# KiCad board Plume.kicad_pcb (continued)
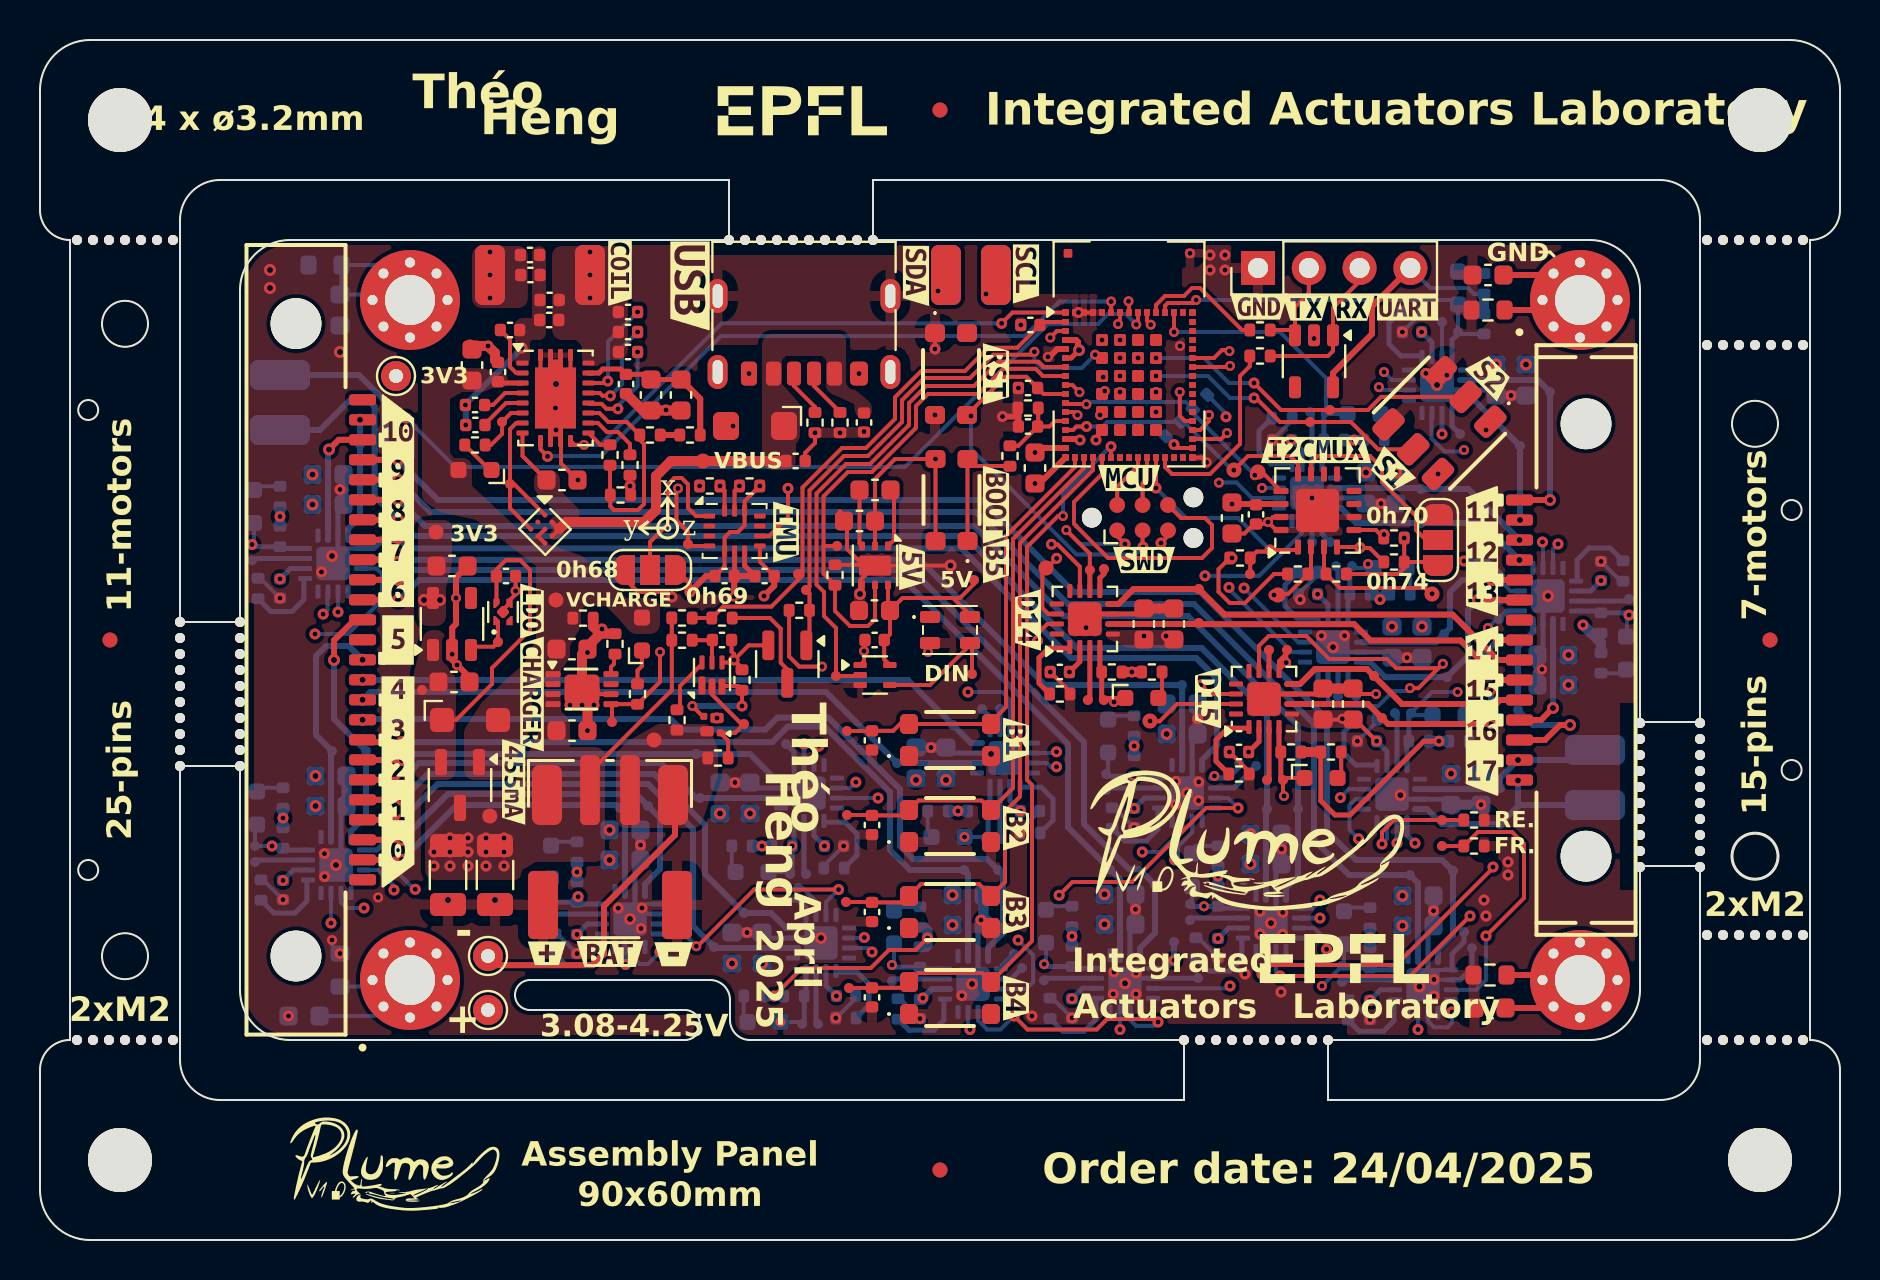
[diagram p0: board, top side]
## Copper pours and planes (outline as drawn; the poured copper is in the pictures) (continued)
/Project Architecture/Power - Battery Management/+VBAT on L8 (Sig, PWR): 56.81,23.4 56.81,27.3 55.91,27.3 55.91,24.5 56.41,23.4
/Project Architecture/Power - Battery Management/+VBAT on L4 (PWR): 10,10 10,50 80,50 80,10
/Project Architecture/Power - Battery Management/-VBAT on L1 (Sig, PWR): 28.8,24.6 28.8,20.6 33,20.6 33.9,23.18 33.9,24.6 33.7,25 33.7,25.8 30.9,25.8
/Project Architecture/Power - Path & Generation/+VDD on L1 (Sig, PWR): 20.8,23 20.8,28.1 20.3,28.8 20.3,30.5 19.25,30.5 18.7,28.4 18.7,23
GND on L1 (Sig, PWR), L8 (Sig, PWR), L2 (GND), L3 (Sig, PWR), L4 (PWR), L5 (GND), L6 (Sig,PWR), L7 (GNG): 10,50 10,10 80,10 80,50
/Project Architecture/Power - Wireless Receiver & USB/+VCHARGE on L1 (Sig, PWR): 23.25,23 24.6,25.7 24.6,27.3 24.9,27.65 26.05,27.65 26.05,28.5 26.5,29.1 26.5,29.7 26.8,30.25 27.05,30.62 27.05,31.5 27.28,31.7 28.3,31.7 28.9,31.1 29.6,30.3 31,30.3 31,31.8 30.7,32.1 29.3,32.1 28.3,33.1 27.1,34.2 25.4,34.8 24.9,35.3 24.5,35 21.6,37.7 21.6,39.1 20.7,39.1 20.5,39.37 20.5,42.06 21.1,42.4 22.2,42.4 22.6,42.6 23.4,42.6 23.4,43.4 22.6,43.4 22.2,43.6 19.5,43.6 19.1,43 19.1,37 20,36.4 21.8,36 24.8,33.7 24.8,30 24.2,28.8 23.5,28.2 22.1,26.9 21.2,25.5 21.2,23
/Project Architecture/Power - Wireless Receiver & USB/AC1 on L1 (Sig, PWR): 25.3,49.7 25.3,45 24.6,45 24.5,44.9 24.5,43.7 23.7,43.7 23.7,46.1 24.6,46.1 24.6,49.7
/Project Architecture/Power - Wireless Receiver & USB/AC2 on L1 (Sig, PWR): 25.6,45 26.8,45 27.1,44.7 27.1,43.7 28,43.7 28.4,44 29.4,44 29.4,49.7 25.6,49.7
/Project Architecture/Power - Wireless Receiver & USB/COIL1 on L1 (Sig, PWR): 21.6,46.6 24.4,46.6 24.4,49.7 21.6,49.7

## Text on the board
B.Mask: Théo Heng
B.Silkscreen: April 2025 | . | Heng | Théo | 3V3 | TC2030-CLIP | GND | SN: | Assembly Panel / 90x60mm | 4 x ø3.2mm | 40x5.5mm | 29.5x5.5mm | 70x40mm | - | + | Order date: 24/04/2025 | Integrated Actuators Laboratory | LAI
User.Comments: PCB3D_BR_PLUME | PCB3D_TL_PLUME
Title Page Text: Top View | Bottom View
F.Silkscreen: 2025 | April | . | Théo | Heng | VCHARGE | 3V3 | 0h68 | 0h69 | VBUS | DIN | 5V | 0h70 | 0h74 | RE. | FR. | GND | y | x | z | 3.08-4.25V | Integrated | Actuators   Laboratory | 2xM2 | 4 x ø3.2mm | Assembly Panel / 90x60mm | 11-motors | 25-pins | 7-motors | 15-pins | + | - | Order date: 24/04/2025 | Integrated Actuators Laboratory
Drill Map: 349 / 89 / 32 / 3 / 4 (slot) / 4 / 102 / 3 / 4 / 4 | 0.25mm / 0.30mm / 0.50mm / 0.70mm / 1.00mm / 2.50mm / 0.5mm / 0.991mm / 2.54mm / 3.2mm | Plated / Plated / Plated / Plated / Plated / Plated / Unplated / Unplated / Unplated / Unplated | Symbol | Count | Hole Size | Plated | Drill Drawing (Top View) (Scale 1:1)
F.Assembly Text: THT / SMD / Total | ??? / ??? / ??? | Type | Front Side | Back Side | Total | ASSEMBLY NOTES (UNLESS OTHERWISE SPECIFIED) / 1) 	DO NOT POPULATE PARTS ARE MARKED WITH A RED CROSS. / 2) 	DO NOT POPULATE PARTS ARE NOT PRESENT IN THE BOM. / 3)	IF CONFLICTING INFORMATION IS FOUND BETWEEN THE / ASSEMBLY FILE AND BOM, BOM SHOULD BE USED AS THE / MAIN SOURCE. | Components | Top Assembly (Scale 1:1)
B.Assembly Text: Bottom Assembly (Scale 1:1)
F.Dimensions: 4 x ø1.0mm | 4 x ø2.3mm | 4 x ø2.7mm | 4 x r.2.5mm | 4 x ø3.2mm | All dimensions are in millimeters unless otherwise specified. | Layer Stack Legend | Top Fabrication (Scale 1:1)
B.Dimensions: All dimensions are in millimeters unless otherwise specified. | Bottom Fabrication (Scale 1:1)
F.TestPointList: TP? / TP? / TP? | ??? / ??? / ??? | Ref. | Net | X [mm] | Y [mm] | Y | X | All dimensions are in millimeters unless otherwise specified. | Top Test Points (Scale 1:1)
B.TestPointList: ??? / ??? / ??? | TP? / TP? / TP? | Y [mm] | X [mm] | Net | Ref. | Y | X | All dimensions are in millimeters unless otherwise specified. | Bottom Test Points (Scale 1:1)
LayerScale: - (Scale 1:1)
